# Altium PCB higgs.PcbDoc (part 9 of 25)
Units mm, origin at the board's own origin, x right, y up, seen from the top; angles counter-clockwise.
Board outline 160 x 160 mm, 15 copper layers (TOP, P1(GND), S1(V), P2(GND), S2(H), P3(GND), S3(V12/V2V5), S4(VDDR), P4(GND), S5(V), P5(GND), S6(H), P6(GND), P1(GND) (Plane1), BOT), stack 3.262 mm thick; 1283 components, 2419 nets, 11066 pads, 5487 vias.
Unrouted connection lines stored in the file: 239.
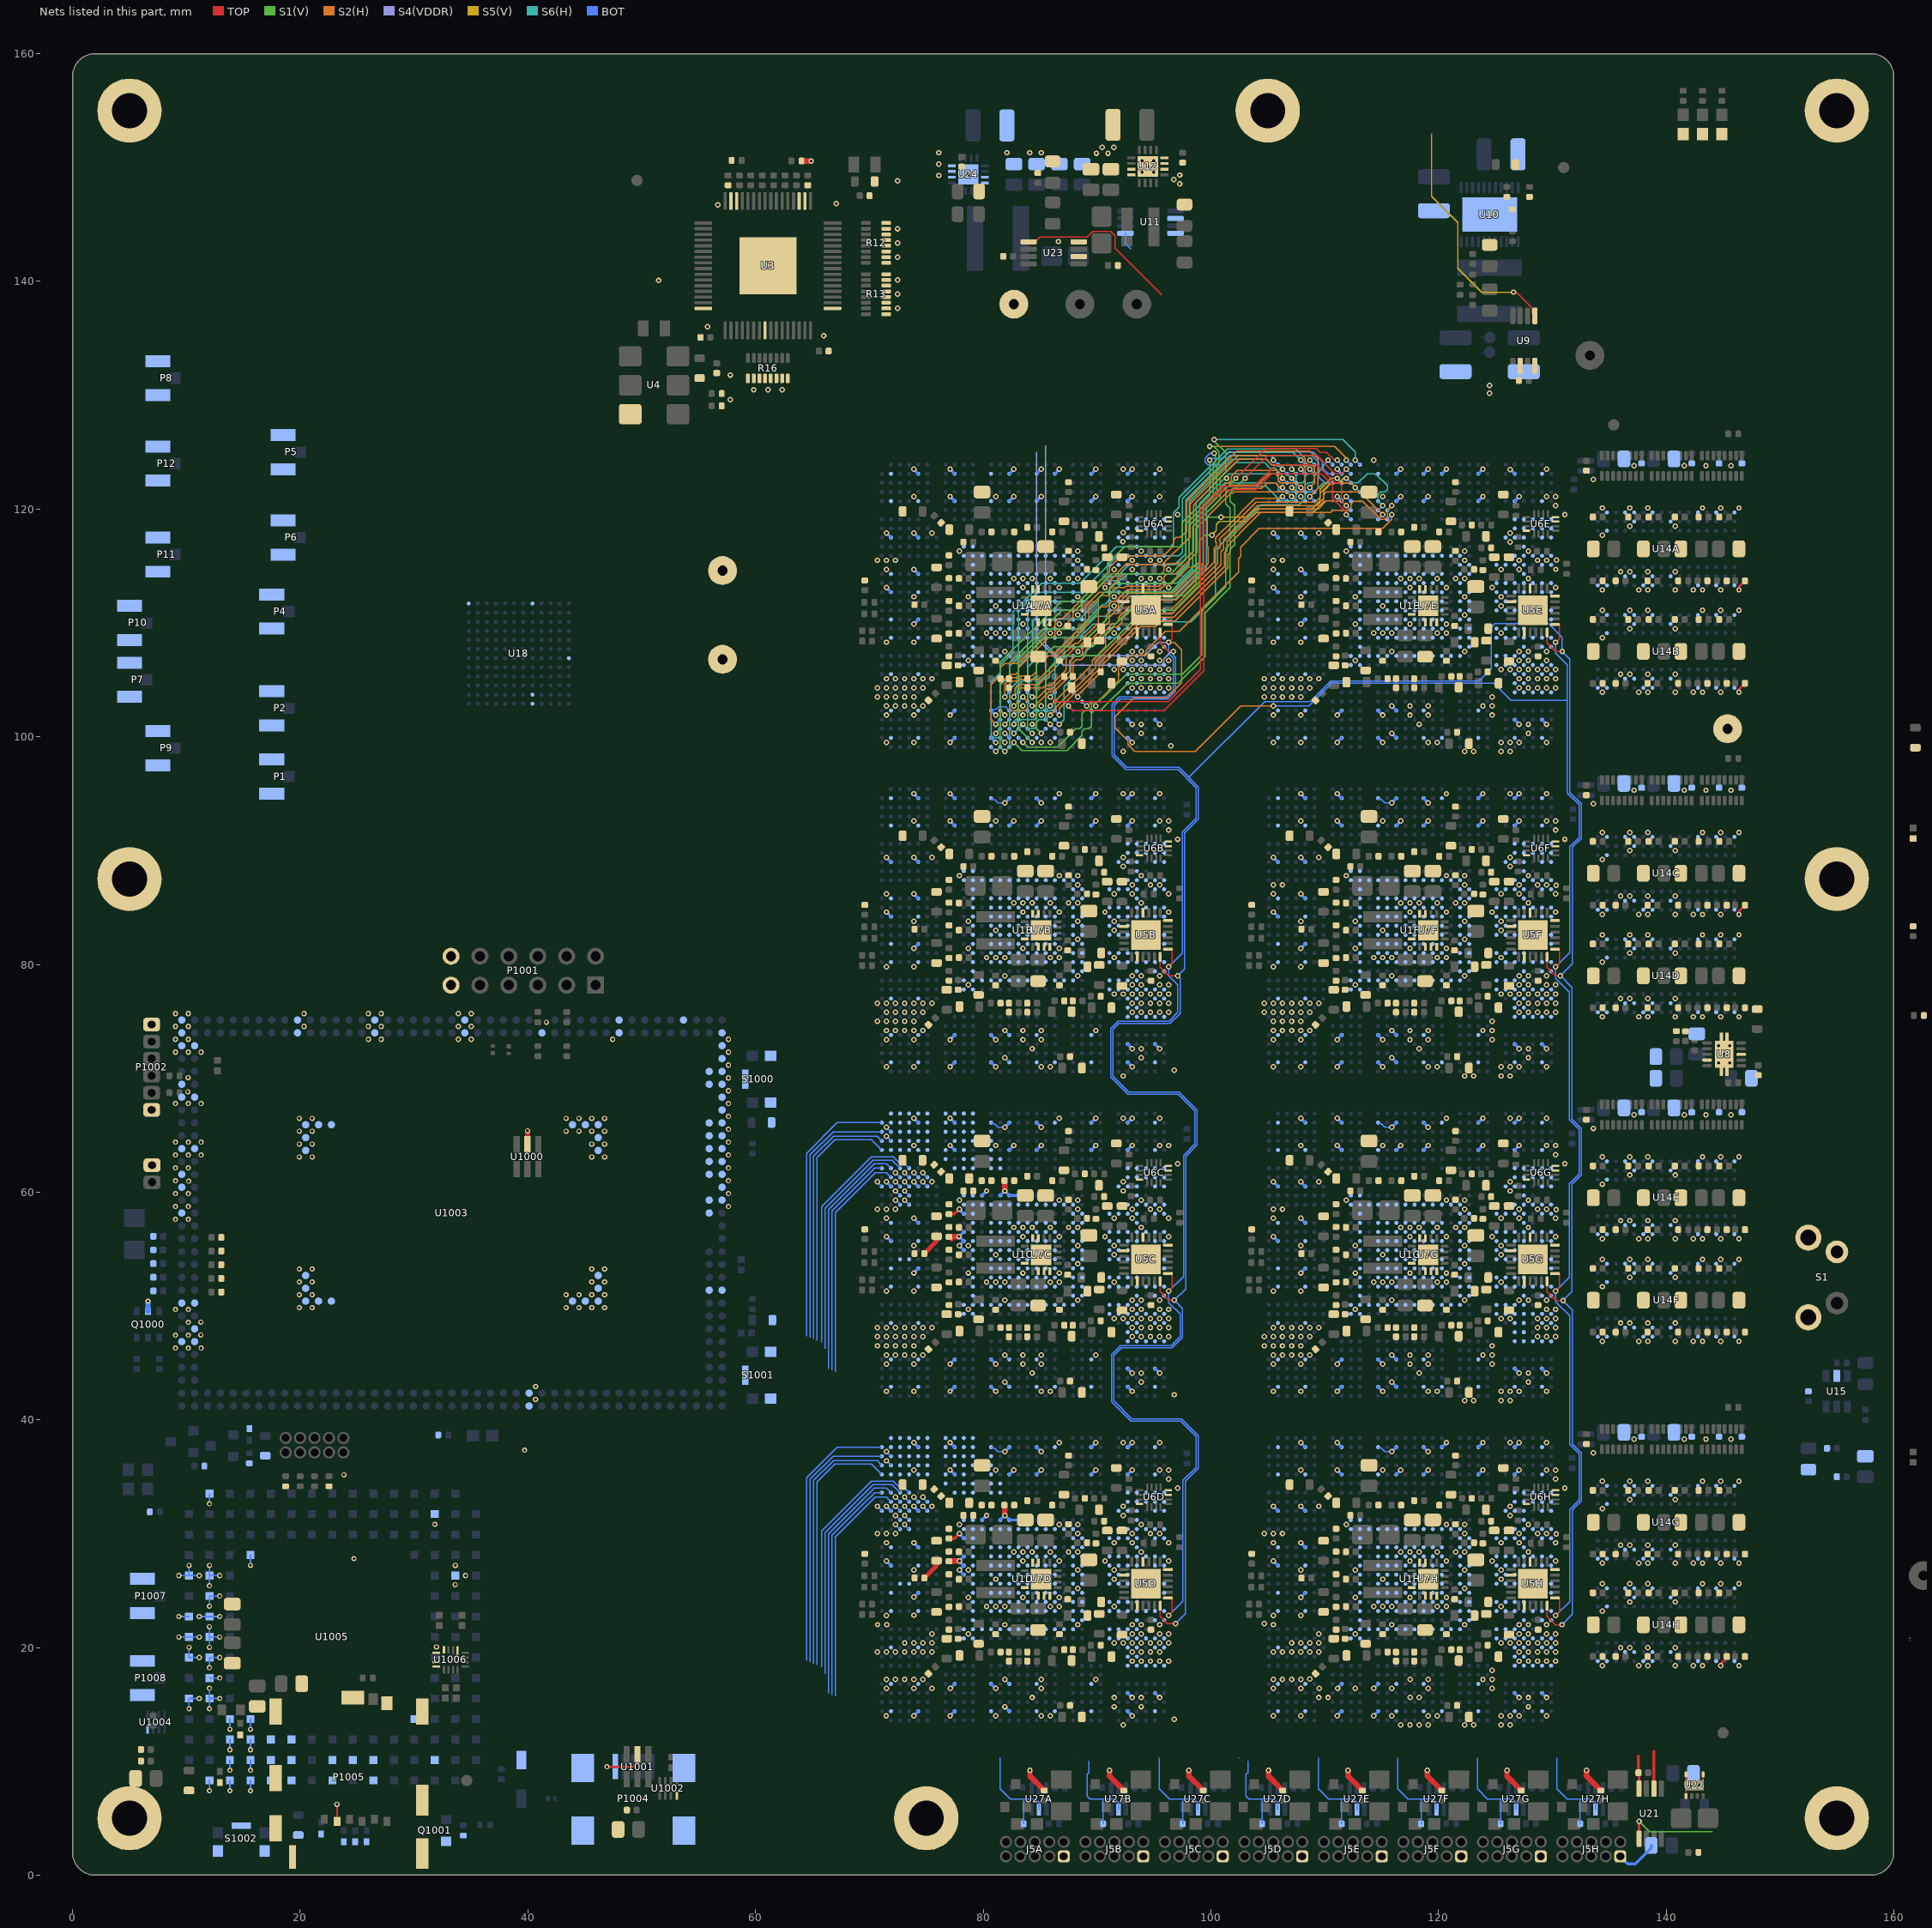
[diagram p22: the nets of this part, all layers, seen from the top]

## Via types
v1: diameter 0.483, hole 0.254, TOP to BOT, tented both sides, 5146 vias
v2: diameter 0.457, hole 0.254, TOP to BOT, tented both sides, 278 vias
v3: diameter 0.5, hole 0.25, TOP to BOT, 50 vias
v4: diameter 0.483/0/0/0/0.483/0/0/0.483 (per signal layer), hole 0.254, TOP to BOT, tented both sides, 7 vias
v5: diameter 0.483, hole 0.254, TOP to BOT, tented bottom, 5 vias
v6: diameter 0.483, hole 0.254, TOP to BOT, 1 vias

## Nets (pads, with @x,y where several pads share a name; then routed paths per layer and width w, separated by ;. In a path a pad name is that pad's centre, name@x,y a point inside that pad or via, vN(x,y) a via of type N, cw(c..) or ccw(c..) an arc to the next point about the centre after c; other vN are vias at no path point) (continued)
GND: (continued)
  other v1: 142.1,7.9 142.9,7.9 92.3,13.2 116.7,13.2 117.5,13.2 118.3,13.2 119.1,13.2 122.3,13.2 123.1,13.2 125.5,13.2 126.3,13.2 96.8,13.7 71.48,14.001 81.1,14 85.1,14 85.9,14 105.5,14 107.9,14 115.9,14 119.108,14.001 119.9,14 125.5,14 126.3,14 127.1,14 129.5,14 91.5,14.8 93.9,14.8 127.9,14.8 84.3,15.6 91.5,15.6 93.9,15.6 109.5,15.6 110.3,15.6 117.508,15.601 118.308,15.601 127.9,15.6 71.5,16.4 73.906,16.401 75.506,16.401 85.106,16.401 105.5,16.4 107.9,16.4 109.532,16.401 112.7,16.4 115.908,16.401 119.1,16.4 124.7,16.4 71.5,17.2 72.3,17.2 73.1,17.2 73.9,17.2 74.7,17.2 85.1,17.2 89.9,17.2 105.5,17.2 106.3,17.2 107.1,17.2 107.9,17.2 117.508,17.2 119.108,17.201 123.9,17.2 124.7,17.2 108.707,17.226 124.7,18 134.399,18.4 137.6,18.4 138.4,18.4 140.8,18.4 142.4,18.4 143.2,18.4 146.401,18.4 93.1,18.8 93.9,18.8 94.7,18.8 95.5,18.8 96.3,18.8 127.1,18.8 127.9,18.8 128.7,18.8 129.5,18.8 130.3,18.8 70.7,19.6 71.5,19.6 72.3,19.6 73.1,19.6 73.9,19.6 74.7,19.6 75.5,19.6 93.1,19.6 93.9,19.6 94.7,19.6 95.5,19.6 105.5,19.6 106.3,19.6 107.1,19.6 107.9,19.6 108.7,19.6 109.5,19.6 127.1,19.6 127.9,19.6 128.7,19.6 129.5,19.6 130.3,19.6 136,20 136.8,20 138.4,20 140.8,20 73.1,20.4 73.9,20.4 74.7,20.4 75.5,20.4 91.5,20.4 92.3,20.4 93.1,20.4 93.9,20.4 94.7,20.4 95.5,20.4 96.3,20.4 107.1,20.4 107.9,20.4 108.7,20.4 109.5,20.4 125.5,20.4 126.3,20.4 127.1,20.4 127.9,20.4 128.7,20.4 129.5,20.4 130.3,20.4 75.5,21.2 78.7,21.2 93.1,21.2 93.9,21.2 95.5,21.2 96.3,21.2 109.5,21.2 112.7,21.2 127.1,21.2 127.9,21.2 129.5,21.2 130.3,21.2 70.73,22.001 71.53,22.001 81.9,22 88.3,22 93.1,22 93.9,22 95.5,22 105.507,22.001 115.9,22 122.3,22 127.1,22 127.9,22 129.5,22 104.707,22.101 71.5,22.8 105.5,22.8 107.9,22.8 73.9,22.828 134.399,23.2 80.3,23.6 81.1,23.6 81.9,23.6 85.9,23.6 86.7,23.6 91.5,23.6 114.3,23.6 115.1,23.6 115.9,23.6 119.9,23.6 120.7,23.6 125.5,23.6 136.8,24 140.8,24 78.7,24.4 83.5,24.4 86.7,24.4 112.7,24.4 117.5,24.4 120.7,24.4 88.3,25.2 122.3,25.2 134.399,25.6 136.8,25.6 138.4,25.6 143.2,25.6 144.801,25.6 146.401,25.6 81.1,26 85.1,26 91.5,26 115.1,26 119.1,26 125.5,26 73.9,26.8 78.7,26.8 88.3,26.8 91.5,26.8 107.9,26.8 112.7,26.8 122.3,26.8 125.5,26.8 134.399,27.4 137.6,27.4 138.4,27.4 140.8,27.4 142.4,27.4 143.2,27.4 144.801,27.4 146.401,27.4 83.5,27.6 86.7,27.6 90.7,27.6 96.3,27.6 117.5,27.6 120.7,27.6 124.7,27.6 130.3,27.6 82.7,28.4 83.5,28.4 84.3,28.4 85.9,28.4 87.5,28.4 88.3,28.4 93.9,28.4 116.7,28.4 117.5,28.4 118.3,28.4 119.9,28.4 121.5,28.4 122.3,28.4 127.9,28.4 136,29 136.8,29 138.4,29 140.8,29 71.5,29.2 91.5,29.2 93.1,29.2 96.3,29.2 105.5,29.2 125.5,29.2 127.1,29.2 130.3,29.2 130.35,29.96 70.7,30 71.5,30 72.3,30 88.3,30 93.1,30 94.7,30 95.5,30 104.7,30 105.5,30 106.3,30 122.3,30 127.1,30 128.7,30 129.5,30 77.9,30.8 86.7,30.8 88.3,30.8 93.9,30.8 111.9,30.8 120.7,30.8 122.3,30.8 127.9,30.8 92.3,31.6 126.3,31.6 134.399,32.2 75.5,32.4 92.3,32.4 109.5,32.4 126.3,32.4 136.8,33 140.8,33 97.1,34 131.1,34 134.399,34.6 136.8,34.6 138.4,34.6 143.2,34.6 144.801,34.6 146.401,34.6 96.3,34.8 130.3,34.8 73.9,35.6 81.1,35.6 95.5,35.6 96.3,35.6 107.9,35.6 115.1,35.6 129.5,35.6 130.3,35.6 133.6,37.1 86.7,38 92.3,38 95.5,38 126.3,38 129.5,38 137.2,38.3 141.6,38.3 143.5,38.3 145.7,38.3 122.3,41.7 123.1,41.7 125.5,41.7 126.3,41.7 96.8,42.2 71.5,42.5 73.9,42.5 85.1,42.5 85.9,42.5 105.5,42.5 107.9,42.5 119.1,42.5 119.9,42.5 125.5,42.5 126.3,42.5 127.1,42.5 129.5,42.5 93.9,43.3 127.9,43.3 84.3,44.1 93.9,44.1 118.3,44.1 127.9,44.1 71.5,44.9 73.9,44.9 83.5,44.9 85.1,44.9 105.5,44.9 107.9,44.9 117.5,44.9 119.1,44.9 124.7,44.9 71.5,45.7 72.3,45.7 73.1,45.7 73.9,45.7 74.7,45.7 83.5,45.7 85.1,45.7 89.9,45.7 105.5,45.7 106.3,45.7 107.1,45.7 107.9,45.7 108.7,45.7 117.5,45.7 119.1,45.7 123.9,45.7 124.7,45.7 70.7,46.5 71.5,46.5 72.3,46.5 73.1,46.5 73.9,46.5 104.7,46.5 105.5,46.5 106.3,46.5 107.1,46.5 107.9,46.5 124.7,46.5 134.399,46.9 137.6,46.9 138.4,46.9 140.8,46.9 142.4,46.9 143.2,46.9 144.801,46.9 146.401,46.9 70.7,47.3 71.5,47.3 72.3,47.3 73.1,47.3 73.9,47.3 74.7,47.3 93.1,47.3 93.9,47.3 94.7,47.3 95.5,47.3 96.3,47.3 104.7,47.3 105.5,47.3 106.3,47.3 107.1,47.3 107.9,47.3 108.7,47.3 128.7,47.3 129.5,47.3 130.3,47.3 70.7,48.1 71.5,48.1 72.3,48.1 73.1,48.1 73.9,48.1 74.7,48.1 75.5,48.1 93.1,48.1 93.9,48.1 94.7,48.1 95.5,48.1 96.3,48.1 105.5,48.1 106.3,48.1 107.1,48.1 107.9,48.1 108.7,48.1 109.5,48.1 128.7,48.1 129.5,48.1 130.3,48.1 136,48.5 136.8,48.5 138.4,48.5 140.8,48.5 91.5,48.9 92.3,48.9 93.1,48.9 93.9,48.9 94.7,48.9 95.5,48.9 96.3,48.9 125.5,48.9 126.3,48.9 128.7,48.9 129.5,48.9 130.3,48.9 78.7,49.7 93.1,49.7 93.9,49.7 95.5,49.7 96.3,49.7 112.7,49.7 129.5,49.7 130.3,49.7 81.9,50.5 88.3,50.5 93.1,50.5 93.9,50.5 95.5,50.5 115.9,50.5 122.3,50.5 127.1,50.5 127.9,50.5 129.5,50.5 71.5,51.3 73.9,51.3 105.5,51.3 107.9,51.3 134.399,51.7 80.3,52.1 81.1,52.1 81.9,52.1 85.9,52.1 86.7,52.1 91.5,52.1 114.3,52.1 115.1,52.1 115.9,52.1 119.9,52.1 120.7,52.1 125.5,52.1 136.8,52.5 140.8,52.5 78.7,52.9 83.5,52.9 86.7,52.9 112.7,52.9 117.5,52.9 120.7,52.9 88.3,53.7 122.3,53.7 134.399,54.1 136.8,54.1 138.4,54.1 143.2,54.1 144.801,54.1 146.401,54.1 81.1,54.5 85.1,54.5 91.5,54.5 115.1,54.5 119.1,54.5 125.5,54.5 73.9,55.3 78.7,55.3 88.3,55.3 91.5,55.3 107.9,55.3 112.7,55.3 122.3,55.3 125.5,55.3 134.399,55.9 137.6,55.9 138.4,55.9 140.8,55.9 142.4,55.9 143.2,55.9 144.801,55.9 146.401,55.9 83.5,56.1 86.7,56.1 90.7,56.1 96.3,56.1 117.5,56.1 120.7,56.1 124.7,56.1 130.3,56.1 82.7,56.9 83.5,56.9 84.3,56.9 85.9,56.9 87.5,56.9 88.3,56.9 93.9,56.9 116.7,56.9 117.5,56.9 118.3,56.9 119.9,56.9 121.5,56.9 122.3,56.9 127.9,56.9 136,57.5 136.8,57.5 138.4,57.5 140.8,57.5 71.5,57.7 91.5,57.7 93.1,57.7 96.3,57.7 105.5,57.7 125.5,57.7 127.1,57.7 130.3,57.7 130.35,58.46 70.7,58.5 71.5,58.5 72.3,58.5 88.3,58.5 93.1,58.5 94.7,58.5 95.5,58.5 105.5,58.5 106.3,58.5 122.3,58.5 127.1,58.5 128.7,58.5 129.5,58.5 77.9,59.3 86.7,59.3 88.3,59.3 93.9,59.3 111.9,59.3 120.7,59.3 122.3,59.3 127.9,59.3 92.3,60.1 126.3,60.1 134.399,60.7 75.5,60.9 92.3,60.9 109.5,60.9 126.3,60.9 136.8,61.5 140.8,61.5 97.1,62.5 131.1,62.5 134.399,63.1 136.8,63.1 138.4,63.1 143.2,63.1 144.801,63.1 146.401,63.1 130.3,63.3 73.9,64.1 81.1,64.1 95.5,64.1 96.3,64.1 107.9,64.1 115.1,64.1 129.5,64.1 130.3,64.1 133.6,65.6 86.7,66.5 92.3,66.5 95.5,66.5 120.7,66.5 126.3,66.5 129.5,66.5 137.2,66.8 141.6,66.8 143.5,66.8 145.7,66.8 92.3,70.2 122.3,70.2 123.1,70.2 125.5,70.2 126.3,70.2 96.8,70.7 71.5,71 73.9,71 85.1,71 85.9,71 105.5,71 107.9,71 119.1,71 119.9,71 125.5,71 126.3,71 127.1,71 129.5,71 93.9,71.8 127.9,71.8 84.3,72.6 93.9,72.6 118.3,72.6 127.9,72.6 71.5,73.4 73.9,73.4 83.5,73.4 85.1,73.4 105.5,73.4 107.9,73.4 117.5,73.4 119.1,73.4 124.7,73.4 71.5,74.2 72.3,74.2 73.1,74.2 73.9,74.2 74.7,74.2 83.5,74.2 85.1,74.2 89.9,74.2 105.5,74.2 106.3,74.2 107.1,74.2 107.9,74.2 108.7,74.2 117.5,74.2 119.1,74.2 123.9,74.2 124.7,74.2 70.7,75 71.5,75 72.3,75 73.1,75 73.9,75 105.5,75 106.3,75 107.1,75 107.9,75 124.7,75 134.399,75.4 137.6,75.4 138.4,75.4 140.8,75.4 142.4,75.4 143.2,75.4 144.801,75.4 146.401,75.4 71.5,75.8 72.3,75.8 73.1,75.8 73.9,75.8 74.7,75.8 93.1,75.8 93.9,75.8 94.7,75.8 95.5,75.8 96.3,75.8 104.7,75.8 105.5,75.8 106.3,75.8 107.1,75.8 107.9,75.8 108.7,75.8 127.1,75.8 127.9,75.8 128.7,75.8 129.5,75.8 130.3,75.8 70.7,76.6 71.5,76.6 72.3,76.6 73.1,76.6 73.9,76.6 74.7,76.6 75.5,76.6 93.1,76.6 93.9,76.6 94.7,76.6 95.5,76.6 96.3,76.6 104.7,76.6 105.5,76.6 106.3,76.6 107.1,76.6 107.9,76.6 108.7,76.6 109.5,76.6 127.1,76.6 127.9,76.6 128.7,76.6 129.5,76.6 130.3,76.6 136,77 136.8,77 138.4,77 140.8,77 91.5,77.4 92.3,77.4 93.1,77.4 93.9,77.4 94.7,77.4 95.5,77.4 96.3,77.4 125.5,77.4 126.3,77.4 127.1,77.4 127.9,77.4 128.7,77.4 129.5,77.4 130.3,77.4 78.7,78.2 93.1,78.2 93.9,78.2 95.5,78.2 96.3,78.2 112.7,78.2 127.1,78.2 127.9,78.2 129.5,78.2 130.3,78.2 81.9,79 88.3,79 93.1,79 93.9,79 95.5,79 115.9,79 122.3,79 127.1,79 127.9,79 129.5,79 71.5,79.8 73.9,79.8 105.5,79.8 107.9,79.8 134.399,80.2 80.3,80.6 81.1,80.6 81.9,80.6 85.9,80.6 86.7,80.6 91.5,80.6 114.3,80.6 115.1,80.6 115.9,80.6 119.9,80.6 120.7,80.6 125.5,80.6 136.8,81 140.8,81 78.7,81.4 83.5,81.4 86.7,81.4 112.7,81.4 117.5,81.4 120.7,81.4 88.3,82.2 122.3,82.2 134.399,82.6 136.8,82.6 138.4,82.6 143.2,82.6 144.801,82.6 146.401,82.6 81.1,83 85.1,83 91.5,83 115.1,83 119.1,83 125.5,83 73.9,83.8 78.7,83.8 88.3,83.8 91.5,83.8 107.9,83.8 112.7,83.8 122.3,83.8 125.5,83.8 134.399,84.4 137.6,84.4 138.4,84.4 140.8,84.4 142.4,84.4 143.2,84.4 144.801,84.4 83.5,84.6 86.7,84.6 90.7,84.6 96.3,84.6 117.5,84.6 120.7,84.6 124.7,84.6 130.3,84.6 82.7,85.4 83.5,85.4 84.3,85.4 85.9,85.4 87.5,85.4 88.3,85.4 93.9,85.4 116.7,85.4 117.5,85.4 118.3,85.4 119.9,85.4 121.5,85.4 122.3,85.4 127.9,85.4 136,86 136.8,86 138.4,86 140.8,86 71.5,86.2 91.5,86.2 93.1,86.2 96.3,86.2 105.5,86.2 125.5,86.2 127.1,86.2 130.3,86.2 130.35,86.96 88.3,87 93.1,87 94.7,87 95.5,87 105.5,87 106.3,87 122.3,87 127.1,87 128.7,87 129.5,87 77.9,87.8 86.7,87.8 88.3,87.8 93.9,87.8 111.9,87.8 120.7,87.8 122.3,87.8 127.9,87.8 92.3,88.6 126.3,88.6 134.399,89.2 75.5,89.4 92.3,89.4 109.5,89.4 126.3,89.4 136.8,90 140.8,90 97.1,91 131.1,91 134.399,91.6 136.8,91.6 138.4,91.6 143.2,91.6 144.801,91.6 146.401,91.6 96.3,91.8 130.3,91.8 73.9,92.6 81.1,92.6 95.5,92.6 96.3,92.6 107.9,92.6 115.1,92.6 129.5,92.6 130.3,92.6 133.6,94.1 86.7,95 92.3,95 95.5,95 120.7,95 126.3,95 129.5,95 137.2,95.3 141.6,95.3 143.5,95.3 145.7,95.3 92.3,98.7 122.3,98.7 123.1,98.7 125.5,98.7 126.3,98.7 96.5,99.2 71.5,99.5 73.9,99.5 85.1,99.5 85.9,99.5 105.5,99.5 107.9,99.5 119.1,99.5 119.9,99.5 125.5,99.5 126.3,99.5 127.1,99.5 129.5,99.5 93.9,100.3 127.9,100.3 84.3,101.1 93.9,101.1 118.3,101.1 127.9,101.1 71.5,101.9 73.9,101.9 83.5,101.9 85.1,101.9 105.5,101.9 107.9,101.9 117.5,101.9 119.1,101.9 124.7,101.9 71.5,102.7 72.3,102.7 73.1,102.7 73.9,102.7 74.7,102.7 83.5,102.7 85.1,102.7 89.9,102.7 117.5,102.7 119.1,102.7 123.9,102.7 124.7,102.7 70.7,103.5 71.5,103.5 72.3,103.5 73.1,103.5 73.9,103.5 104.7,103.5 105.5,103.5 106.3,103.5 107.1,103.5 107.9,103.5 124.7,103.5 134.399,103.9 137.6,103.9 138.4,103.9 140.8,103.9 142.4,103.9 143.2,103.9 144.801,103.9 70.7,104.3 71.5,104.3 72.3,104.3 73.1,104.3 73.9,104.3 74.7,104.3 93.1,104.3 93.9,104.3 94.7,104.3 95.5,104.3 96.3,104.3 104.7,104.3 105.5,104.3 106.3,104.3 107.1,104.3 107.9,104.3 108.7,104.3 127.1,104.3 127.9,104.3 128.7,104.3 129.5,104.3 130.3,104.3 71.5,105.1 72.3,105.1 73.1,105.1 73.9,105.1 74.7,105.1 75.5,105.1 93.1,105.1 93.9,105.1 94.7,105.1 95.5,105.1 96.3,105.1 104.7,105.1 105.5,105.1 106.3,105.1 107.1,105.1 107.9,105.1 108.7,105.1 109.5,105.1 127.1,105.1 127.9,105.1 128.7,105.1 129.5,105.1 130.3,105.1 136,105.5 136.8,105.5 138.4,105.5 140.8,105.5 91.5,105.9 92.3,105.9 93.1,105.9 93.9,105.9 94.7,105.9 95.5,105.9 96.3,105.9 125.5,105.9 126.3,105.9 127.1,105.9 127.9,105.9 128.7,105.9 129.5,105.9 130.3,105.9 78.7,106.7 93.1,106.7 93.9,106.7 95.5,106.7 96.3,106.7 112.7,106.7 127.1,106.7 127.9,106.7 129.5,106.7 88.331,107.48 81.9,107.5 93.1,107.5 93.9,107.5 95.5,107.5 115.9,107.5 122.3,107.5 127.1,107.5 127.9,107.5 129.5,107.5 71.5,108.3 73.9,108.3 105.5,108.3 107.9,108.3 134.399,108.7 80.3,109.1 81.1,109.1 81.9,109.1 85.9,109.1 86.7,109.1 91.5,109.1 114.3,109.1 115.1,109.1 115.9,109.1 119.9,109.1 120.7,109.1 125.5,109.1 136.8,109.5 140.8,109.5 78.7,109.9 83.5,109.9 86.7,109.9 112.7,109.9 117.5,109.9 120.7,109.9 88.3,110.7 122.3,110.7 134.399,111.1 136.8,111.1 138.4,111.1 143.2,111.1 144.801,111.1 146.401,111.1 81.1,111.5 85.1,111.5 91.5,111.5 115.1,111.5 119.1,111.5 125.5,111.5 73.9,112.3 78.7,112.3 88.3,112.3 91.5,112.3 107.9,112.3 112.7,112.3 122.3,112.3 125.5,112.3 134.399,112.9 137.6,112.9 138.4,112.9 140.8,112.9 142.4,112.9 143.2,112.9 144.801,112.9 83.5,113.1 86.7,113.1 90.7,113.1 96.3,113.1 117.5,113.1 120.7,113.1 124.7,113.1 130.3,113.1 82.7,113.9 83.5,113.9 84.3,113.9 85.9,113.9 87.5,113.9 88.3,113.9 93.9,113.9 94.7,113.9 95.5,113.9 116.7,113.9 117.5,113.9 118.3,113.9 119.9,113.9 121.5,113.9 122.3,113.9 127.9,113.9 136,114.5 136.8,114.5 138.4,114.5 140.8,114.5 71.5,114.7 91.5,114.7 93.1,114.7 96.3,114.7 105.5,114.7 125.5,114.7 127.1,114.7 130.308,114.706 70.7,115.5 71.5,115.5 72.3,115.5 88.3,115.5 93.1,115.5 94.7,115.5 95.5,115.5 105.5,115.5 106.3,115.5 122.3,115.5 127.1,115.5 128.7,115.5 129.5,115.5 130.358,115.506 77.9,116.3 88.3,116.3 93.9,116.3 111.9,116.3 122.3,116.3 127.9,116.3 126.3,117.1 92.281,117.131 134.399,117.7 75.5,117.9 109.5,117.9 126.3,117.9 92.306,117.931 136.8,118.5 140.8,118.5 97.1,119.5 131.1,119.5 134.399,120.1 136.8,120.1 138.4,120.1 143.2,120.1 144.801,120.1 146.401,120.1 130.3,120.3 73.9,121.1 81.1,121.1 95.5,121.1 107.9,121.1 115.1,121.1 129.5,121.1 130.3,121.1 133.6,122.6 126.308,123.481 92.3,123.5 95.5,123.5 129.5,123.5 137.2,123.8 141.6,123.8 143.5,123.8 145.7,123.8 114.3,124.3 57.785,129.606 124.5,130.165 61.09,130.476 59.84,130.481 62.34,130.481 124.5,130.865 57.79,131.776 65.985,135.226 55.785,136.026 72.485,137.626 72.49,138.876 51.49,140.074 72.485,140.126 72.485,142.126 72.49,143.376 86.6,143.5 72.485,144.626 56.685,146.726 67.085,146.826 97.264,148.578 72.485,148.826 96.756,148.959 76.1,149.3 97.264,149.34 93.962,149.594 94.978,149.594 94.47,150.102 76.1,150.3 93.962,150.61 94.978,150.61 89.952,151.259 90.968,151.259 76.1,151.3 82.1,151.3 84.1,151.3 85.1,151.3 90.46,151.767 91.476,151.767
  other v2: 31.968,20.054 33.619,25.515 34.529,26.319 33.629,27.219 24.729,27.801 31.829,30.819 23.84,35.167 39.715,37.326 40.674,41.784 40.674,42.914 9.034,46.304 10.164,46.304 11.294,46.304 9.034,47.434 10.164,47.434 11.274,47.454 10.164,48.564 11.274,48.584 9.034,49.694 10.164,49.694 19.914,49.854 21.044,49.854 43.354,49.854 44.484,49.854 45.614,49.854 46.744,49.854 19.914,50.984 21.044,50.984 43.354,50.984 44.484,50.984 45.614,50.984 46.744,50.984 19.914,52.114 21.044,52.114 45.614,52.114 46.744,52.114 19.914,53.244 21.044,53.244 45.614,53.244 46.744,53.244 9.034,57.604 10.164,57.604 9.034,58.734 10.164,58.734 57.624,58.734 9.034,59.864 10.164,59.864 57.624,59.864 10.194,60.954 9.034,60.994 57.624,60.994 9.034,62.124 10.164,62.124 57.624,62.124 19.914,63.094 21.044,63.094 45.614,63.094 46.744,63.094 9.034,63.254 10.164,63.254 11.294,63.254 57.624,63.254 19.914,64.224 21.044,64.224 45.614,64.224 46.744,64.224 9.034,64.384 10.164,64.384 11.294,64.384 57.624,64.384 19.914,65.354 21.044,65.354 43.354,65.354 44.484,65.354 45.614,65.354 46.744,65.354 57.624,65.514 19.914,66.484 21.044,66.484 43.354,66.484 44.484,66.484 45.614,66.484 46.744,66.484 57.624,66.644 9.034,67.774 10.164,67.774 11.294,67.774 57.624,67.774 10.124,68.822 57.624,68.904 57.624,70.034 10.149,70.067 57.624,71.164 9.034,72.294 10.164,72.294 11.294,72.294 57.624,72.294 9.034,73.424 10.164,73.424 25.984,73.424 27.114,73.424 33.894,73.424 35.024,73.424 47.454,73.424 57.624,73.424 9.034,74.554 10.164,74.554 20.334,74.554 25.984,74.554 27.114,74.554 33.894,74.554 35.024,74.554 41.62,74.918 9.034,75.684 10.164,75.684 20.334,75.684 25.984,75.684 27.114,75.684 33.894,75.684 35.024,75.684
  other v3: 171.283,89.101 171.791,89.101 172.299,89.101 172.807,89.101 173.315,89.101 171.283,89.609 171.791,89.609 172.299,89.609 172.807,89.609 173.315,89.609 171.283,90.117 171.791,90.117 172.299,90.117 172.807,90.117 173.315,90.117 171.283,90.625 171.791,90.625 172.299,90.625 172.807,90.625 173.315,90.625 171.283,91.133 171.791,91.133 172.299,91.133 172.807,91.133 173.315,91.133
  other v5: 144.6,71.35 145.6,71.35 145.1,72.1 144.6,72.85 145.6,72.85
  other v6: 78.7,149.4
I1V35_SNSA: NT4.A
I1V35_SNSB: NT6.A U9.5 | length 21.5
  TOP w0.1: v1(126.6,139.05) 126.846,139.05 128.207,137.689 128.207,137.233 U9.5@128.475,136.965
  S5(V) w0.1: 119.4,152.963 119.4,147.463 121.698,145.165 121.698,141.152 123.8,139.05 v1(126.6,139.05)
I2C_B.SCL: U5A.7 U5B.7 U5C.7 U5D.7 U5E.7 U5F.7 U5G.7 U5H.7 | length 310.8
  TOP w0.1: v1(96.3,22.8) 96.615,23.115 U5D.7@96.615,24.35 ; v1(96.3,51.3) 96.615,51.615 U5C.7@96.615,52.85 ; v1(96.3,79.8) 96.615,80.115 U5B.7@96.615,81.35 ; v1(96.3,108.3) 96.615,108.615 U5A.7@96.615,109.85 ; v1(130.3,22.8) 130.615,23.115 U5H.7@130.615,24.35 ; v1(130.3,51.3) 130.615,51.615 U5G.7@130.615,52.85 ; v1(130.3,79.8) 130.615,80.115 U5F.7@130.615,81.35 ; v1(130.3,108.3) 130.615,108.615 U5E.7@130.615,109.85
  S2(H) w0.1: v1(96.3,108.3) 96.775,108.3 97.425,107.65 97.425,104.725 96.125,103.425 93.262,103.425 91.597,101.76 91.597,100.766 92.702,99.662 92.702,99.335 93.335,98.702 98.627,98.702 102.625,102.7 v1(105.5,102.7)
  S4(VDDR) w0.1: 85.502,125.598 85.502,108.135 86.555,107.082 88.496,107.082 88.516,107.102 94.202,107.102 95.4,108.3 v1(96.3,108.3)
  BOT w0.1: v1(96.3,22.8) 97.55,24.05 97.55,34.2 97.561,34.211 97.561,34.676 98.7,35.814 98.7,38.533 97.358,39.875 92.992,39.875 91.275,41.592 91.275,45.733 92.067,46.525 96.525,46.525 97.311,47.311 97.311,49.289 96.3,50.3 v1(96.3,51.3) 97.6,52.6 97.6,63.214 98.6,64.214 98.6,67.133 97.133,68.6 92.717,68.6 91.2,70.117 91.2,74.383 91.835,75.018 96.335,75.018 97.1,75.783 97.1,78.2 96.3,79 v1(96.3,79.8) 97.5,81 97.5,81.4 ; v1(96.3,108.3) 96.3,107.3 96.7,106.9 96.7,104.1 96.1,103.5 91.975,103.5 91.311,102.836 91.311,98.322 92.522,97.111 97.122,97.111 98.711,95.522 98.711,92.826 97.511,91.626 97.511,91.469 97.511,81.4 ; v1(105.5,102.7) 108.617,102.7 110.629,104.712 124.863,104.712 126.375,103.2 131.325,103.2 ; v1(130.3,22.8) 131.525,24.025 ; v1(130.3,108.3) 130.3,107.35 131.325,106.325 131.325,103.2 ; 131.525,24.05 131.525,24.025 ; 131.325,103.2 131.325,95.061 132.362,94.024 132.362,91.154 131.55,90.342 131.55,81.05 v1(130.3,79.8) 130.3,78.763 131.5,77.563 131.5,66.386 132.362,65.524 132.362,61.604 131.5,60.742 131.5,52.5 v1(130.3,51.3) 130.3,50.375 131.525,49.15 131.525,37.861 132.362,37.024 132.362,32.954 131.525,32.117 131.525,24.025
I2C_B.SDA: U5A.6 U5B.6 U5C.6 U5D.6 U5E.6 U5F.6 U5G.6 U5H.6 | length 302.8
  TOP w0.1: U5D.6@95.55,23.665 95.55,22.75 96.2,22.1 v1(96.9,22.1) ; U5C.6@95.55,52.165 95.55,51.25 96.3,50.5 v1(96.8,50.5) ; U5B.6@95.55,80.665 95.55,79.75 96.3,79 v1(97.1,79) ; U5A.6@95.55,109.165 95.55,108.25 96.3,107.5 v1(96.7,107.5) ; U5H.6@129.55,23.665 129.55,22.75 130.3,22 v1(130.85,22) ; U5G.6@129.55,52.165 129.55,51.25 130.325,50.475 v1(130.95,50.475) ; U5F.6@129.55,80.665 129.55,79.75 130.3,79 v1(130.7,79) ; U5E.6@129.55,109.165 129.55,108.25 130.3,107.5 v1(130.875,107.5)
  S4(VDDR) w0.1: 84.698,125.002 84.698,108.671 87.07,106.3 88.923,106.3 88.941,106.282 89.271,106.282 89.289,106.3 95.663,106.3 95.898,106.535 95.898,106.862 96.537,107.5 v1(96.7,107.5)
  BOT w0.1: v1(96.7,107.5) 96.7,107.167 96.889,106.978 96.889,104.022 96.176,103.309 92.051,103.309 91.5,102.758 91.5,98.4 92.6,97.3 95.7,97.3 97.2,97.3 98.9,95.6 98.9,92.747 97.7,91.547 97.7,79.6 v1(97.1,79) 97.3,78.8 97.3,75.7 96.418,74.818 91.918,74.818 91.4,74.3 91.4,70.2 92.8,68.8 97.2,68.8 98.789,67.211 98.789,64.136 97.8,63.147 97.8,52.1 ; v1(96.9,22.1) 97.75,22.95 97.75,24.05 ; 97.75,23.9 97.75,34.597 98.889,35.736 98.889,38.611 97.425,40.075 93.075,40.075 91.475,41.675 91.475,45.65 92.15,46.325 96.592,46.325 97.5,47.233 97.5,49.8 v1(96.8,50.5) 97.8,51.5 97.8,52.3 ; 98.063,96.438 104.723,103.098 108.748,103.098 110.551,104.901 123.551,104.901 124.625,105.975 124.625,109.625 124.925,109.925 129.7,109.925 130.875,108.75 v1(130.875,107.5) 131.55,106.825 131.55,95.103 132.551,94.102 132.551,91.076 131.775,90.3 131.775,80.6 131.775,80.075 v1(130.7,79) 130.725,79 131.725,78 131.725,66.428 132.551,65.602 132.551,61.526 131.725,60.7 131.725,51.25 v1(130.95,50.475) 131.775,49.65 131.775,37.878 132.551,37.102 132.551,32.876 131.775,32.1 131.775,22.925 v1(130.85,22)
I2V5_SNS: NT2.A U23.5 | length 15
  TOP w0.1: U23.5@84,143.475 84.575,143.475 85,143.9 89.132,143.9 89.623,144.391 91.209,144.391 91.6,144 91.6,142.9 95.7,138.8
I3V3_SNS: NT1.A U11.5 | length 1.6
  BOT w0.1: U11.5@92.5,144.225 92.5,143.337 92.987,142.85
I5_SNS: NT16.A U21.5 | length 8.4